# Altium PCB NODE.PcbDoc
Units mil, origin at the board's own origin, x right, y up, seen from the top; angles counter-clockwise.
Board outline 4255.03 x 3100.03 mil, 2 copper layers (Top Layer, Bottom Layer); 137 components, 72 nets, 385 pads, 0 vias.
Unrouted connection lines stored in the file: 278.
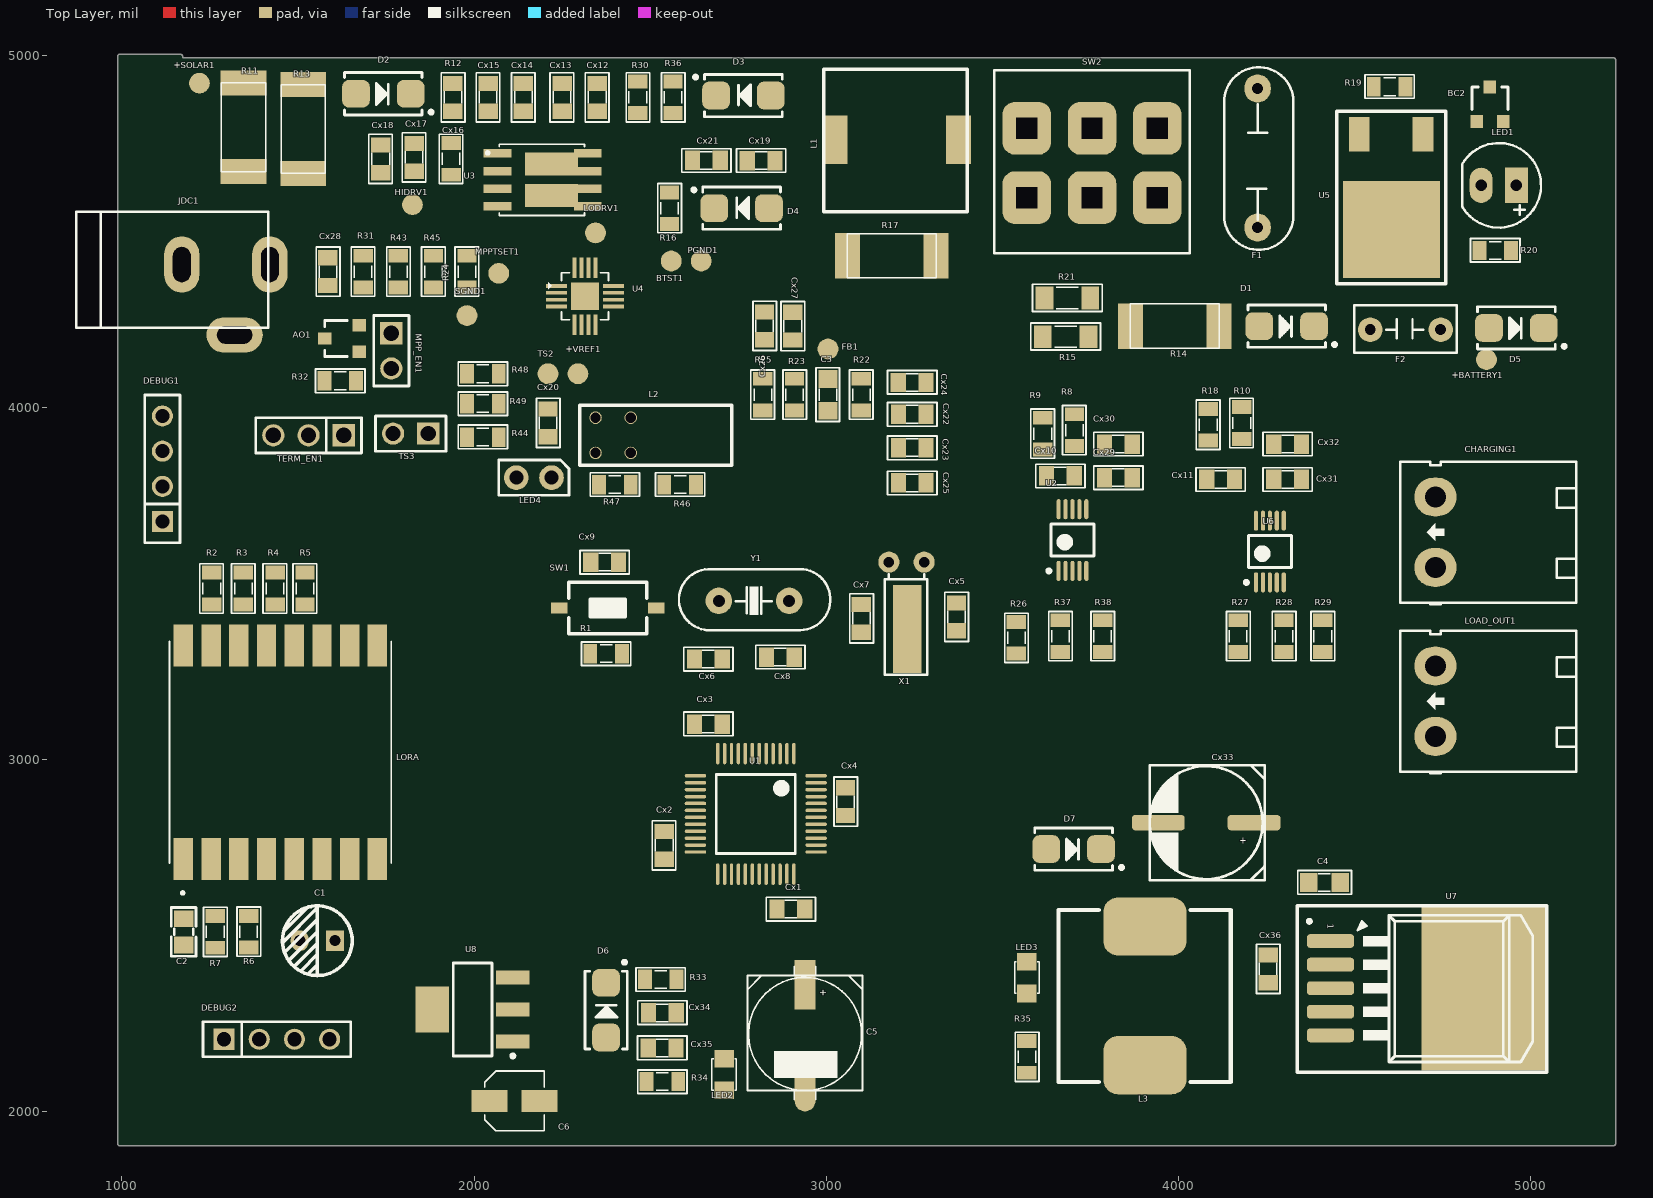
[diagram p0: Top Layer view]
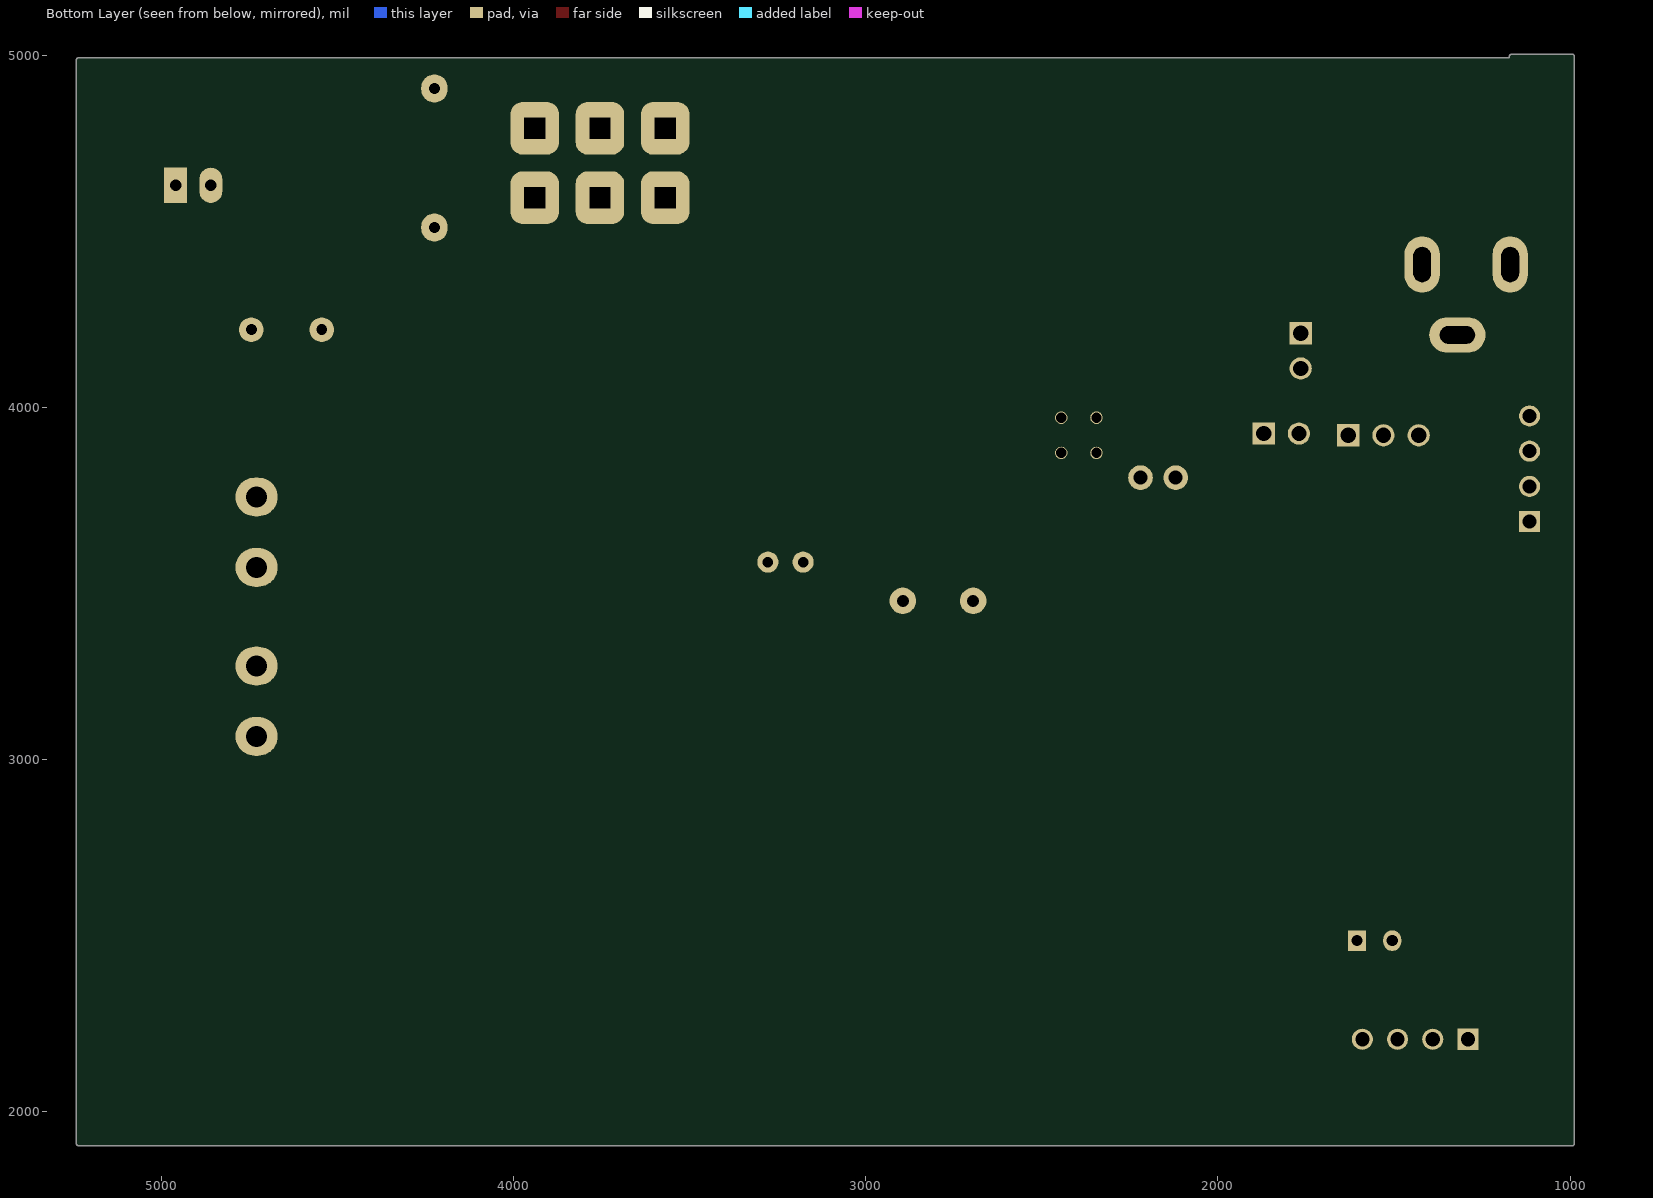
[diagram p1: Bottom Layer view, seen from below]

## Layer stack, top to bottom
Top Solder: solder mask 0.4, Solder Resist, Dk 3.5
Top Layer: signal copper 1.4
Dielectric 1: dielectric 12.6, FR-4, Dk 4.8
Bottom Layer: signal copper 1.4
Bottom Solder: solder mask 0.4, Solder Resist, Dk 3.5

## Board outline
995,1902.48 cw(c995,1910) 987.49,1910 987.49,4995 cw(c995,4995) 995,5002.52 1165.22,5002.52 cw(c1165.22,4995) 1172.73,4995 cw(c1165.22,4995) 1172.31,4992.52 5235,4992.52 cw(c5235,4985) 5242.52,4985 5242.52,1910 cw(c5235,1910) 5235,1902.48

## Design rules (kind name [scope] priority, off if disabled: settings)
Clearance [All] p1: gap=10 ignorepadtopadclearanceinfootprint=TRUE except(0: Arc-Hole Track-Hole SMDPad-Hole THPad-Hole Via-Hole Fill-Hole Poly-Hole Region-Hole Text-Hole)
PolygonConnect [All] p1: connectstyle=Relief reliefconductorwidth=10 reliefentries=4 polygonreliefangle="90 Angle" airgapwidth=10
RoutingVias [All] p1: holewidth=28 width=50 viastyle="Through Hole" minholewidth=28 minwidth=50 maxholewidth=28 maxwidth=50
SolderMaskExpansion [All] p1: expansion=4 istentingtop=FALSE
Width [All] p1: maxlimit=10 minlimit=10 preferedwidth=10
30 further rules are at their usual default settings.

## Classes and differential pairs
component class U_MCU: Cx1 Cx2 Cx3 Cx4 Cx5 Cx6 Cx7 Cx8 Cx9 DEBUG1 DEBUG2 R1 SW1 U1 X1 Y1
component class U_SOLAR_PO: +BATTERY1 +SOLAR1 +VBAT_LOAD1 +VREF1 AO1 BC1 BC2 BTST1 C3 C4 C5 C6 CHARGING1 Cx12 Cx13 Cx14 Cx15 Cx16 Cx17 Cx18 Cx19 Cx20 Cx21 Cx22 Cx23 Cx24 Cx25 Cx26 Cx27 Cx28 Cx33 Cx34 Cx35 Cx36 D1 D2 D3 D4 D5 D6 D7 F1 F2 FB1 HIDRV1 JDC1 L1 L2 L3 LED1 LED2 LED3 LED4 LOAD_OUT1 LODRV1 MPP_EN1 MPPTSET1 PGND1 R11 R12 R13 R14 R15 R16 R17 R19 R20 R21 R22 R23 R24 R25 R31 R32 R33 R34 R35 R36 R43 R44 R45 R46 R47 R48 R49 SGND1 SW2 TERM_EN1 TS2 TS3 tsrts1 U3 U4 U5 U7 U8
component class U_SENSOR_LDO: Cx10 Cx11 Cx29 Cx30 Cx31 Cx32 R8 R9 R10 R18 R26 R27 R28 R29 R30 R37 R38 U2 U6
component class U_LORA: C1 C2 LORA R2 R3 R4 R5 R6 R7

## Components (designator, comment, footprint, x,y, rotation, side; value= is the part's Value field where it differs from the comment)
+BATTERY1 "TP 2x2mm" "TP 2x2mm" 4875,4135 r0 top
+SOLAR1 "TP 2x2mm" "TP 2x2mm" 1220,4920 r90 top
+VREF1 "TP 2x2mm" "TP 2x2mm" 2295,4095 r90 top
AO1 "AO3400" SOT23-231 1625,4195 r90 top
BC2 "BC817" SOT23-132 4885,4860 r0 top
BTST1 "TP 2x2mm" "TP 2x2mm" 2560,4415 r90 top
C1 "22uF" "tu hoa 5mm" 1555,2485 r180 top
C2 "104" "tu 0805" 1175,2510 r90 top
C3 "22pF" SM-0805 3005,4035 r270 top value=103
C4 "0.1uF" SM-0805 4415,2650 r180 top value=103
C5 "220uF" CAP-ALU-SMD-F 2940,2220 r270 top
C6 "22uF/25V" CAP-ALU-SMD-4.5x5x1.4 2115,2030 r0 top
CHARGING1 "Header 2" HED2T 4730,3545 r90 top
Cx1 "0.1uF" CN-SMD-0805 2900,2575 r0 top value=33pF
Cx2 "0.1uF" CN-SMD-0805 2539.99,2755.64 r270 top value=33pF
Cx3 "0.1uF" CN-SMD-0805 2665.64,3100.01 r180 top value=33pF
Cx4 "0.1uF" CN-SMD-0805 3055,2880 r90 top value=33pF
Cx5 "10pF" CN-SMD-0805 3370.01,3404.36 r90 top value=33pF
Cx6 "22pF" CN-SMD-0805 2665.63,3284.99 r0 top value=33pF
Cx7 "10pF" CN-SMD-0805 3100,3400 r90 top value=33pF
Cx8 "22pF" CN-SMD-0805 2870,3290 r180 top value=33pF
Cx9 "0.1uF" CN-SMD-0805 2370.63,3559.99 r0 top value=33pF
Cx10 "0.1uF" CN-SMD-0805 3665,3805 r0 top value=33pF
Cx11 "0.1uF" CN-SMD-0805 4120,3795 r0 top value=33pF
Cx12 "10uF" CN-SMD-0805 2350,4880 r270 top value=33pF
Cx13 "10uF" CN-SMD-0805 2250,4880 r270 top value=33pF
Cx14 "10uF" CN-SMD-0805 2139.99,4880 r270 top value=33pF
Cx15 "10uF" CN-SMD-0805 2039.99,4880 r270 top value=33pF
Cx16 "1uF" CN-SMD-0805 1940.01,4880 r90 top value=33pF
Cx17 "1uF" CN-SMD-0805 1829.99,4709.37 r270 top value=33pF
Cx18 "2.2uF" CN-SMD-0805 1734.99,4705 r270 top value=33pF
Cx19 "1uF" CN-SMD-0805 2815,4700 r180 top value=33pF
Cx20 "1uF" CN-SMD-0805 2210.01,3955.63 r90 top value=33pF
Cx21 "0.1uF" CN-SMD-0805 2660,4701 r0 top value=33pF
Cx22 "1uF" CN-SMD-0805 3244.36,3979.99 r0 top value=33pF
Cx23 "10uF" CN-SMD-0805 3244.36,3884.99 r0 top value=33pF
Cx24 "10uF" CN-SMD-0805 3244.36,4070.01 r180 top value=33pF
Cx25 "0.1uF" CN-SMD-0805 3244.36,3784.99 r0 top value=33pF
Cx26 "0.1uF" CN-SMD-0805 2825.01,4230.63 r90 top value=33pF
Cx27 "0.1uF" CN-SMD-0805 2905,4230 r90 top value=33pF
Cx28 "22pF" CN-SMD-0805 1585.01,4385 r90 top value=33pF
Cx29 "0.1uF" CN-SMD-0805 3830,3800 r0 top value=33pF
Cx30 "1uF" CN-SMD-0805 3830,3895 r180 top value=33pF
Cx31 "0.1uF" CN-SMD-0805 4310.63,3795 r0 top value=33pF
Cx32 "1uF" CN-SMD-0805 4310.64,3895.01 r180 top value=33pF
Cx33 "330uF" "CAP SMD ALU SIZE F" 4079.17,2820 r180 top
Cx34 "0.1uF" CN-SMD-0805 2535,2280 r180 top value=33pF
Cx35 "0.1uF" CN-SMD-0805 2534.37,2180.01 r180 top value=33pF
Cx36 "0.1uF" CN-SMD-0805 4255,2405 r90 top value=33pF
D1 "SS54" "SMA (DO-214AC)" 4307.76,4230 r180 top
D2 "SS54" "SMA (DO-214AC)" 1742.24,4890 r180 top
D3 "SS54" "SMA (DO-214AC)" 2765,4885 r0 top
D4 "SS54" "SMA (DO-214AC)" 2760,4565 r0 top
D5 "SS54" "SMA (DO-214AC)" 4960,4225 r180 top
D6 "SS54" "SMA (DO-214AC)" 2375,2287.76 r270 top
D7 "SS54" "SMA (DO-214AC)" 3702.76,2745 r180 top
DEBUG1 "" JP4-C1T 1115,3675 r90 top
DEBUG2 "JP4" JP4-C1T 1290,2205 r0 top
F1 "5A 30V" CN4 4225,4700 r90 top
F2 "3A 30V" CN2-G 4645,4225 r0 top
FB1 "TP 2x2mm" "TP 2x2mm" 3005,4165 r0 top
HIDRV1 "TP 2x2mm" "TP 2x2mm" 1825,4575 r90 top
JDC1 "SOLAR" DC0 1295,4305 r0 top value="Jac DC"
L1 "10uH" CDRH104R 3025,4760 r90 top
L2 "LED_Digital" LedDigital 2445,3970 r270 top
L3 "68uH" "INDUCTOR SMD 12x12X8.5mm" 3905,2328.15 r270 top
LED1 "LED" "LED-5 GRe" 4960,4630 r180 top value="LED 3 ly Single Colour"
LED2 "LED" LED-0805-Blue 2710,2060 r90 top value="LED 3 - 5 ly 2 Colour"
LED3 "LED" LED-0805-Red 3570,2335 r90 top value="LED 3 - 5 ly 2 Colour"
LED4 "JP2" JP2-CLOSED 2220,3800 r270 top
LOAD_OUT1 "Header 2" HED2T 4730,3065 r90 top
LODRV1 "TP 2x2mm" "TP 2x2mm" 2345,4495 r90 top
LORA "Lora SX1278" *XCVR_RFM69HW-868S2 1450,3020 r90 top (schematic designator ts1)
MPP_EN1 "Header2" JP2-D1T 1765,4210 r270 top
MPPTSET1 "TP 2x2mm" "TP 2x2mm" 2070,4380 r180 top
PGND1 "TP 2x2mm" "TP 2x2mm" 2645,4415 r90 top
R1 "10k" RES-SMD-0805 2375,3300 r0 top
R2 "10k" RES-SMD-0805 1255,3485 r270 top
R3 "10k" RES-SMD-0805 1345,3485 r270 top
R4 "10k" RES-SMD-0805 1435,3485 r270 top
R5 "10k" RES-SMD-0805 1520,3485 r270 top
R6 "10k" RES-SMD-0805 1360,2510.44 r90 top
R7 "10k" RES-SMD-0805 1265,2510 r90 top
R8 "10R" RES-SMD-0805 3705,3935 r270 top
R9 "10R" RES-SMD-0805 3615,3925 r270 top
R10 "10R" RES-SMD-0805 4180,3955 r270 top
R11 "0.015R 1W" RES-SMD-2512 1350,4795 r90 top
R12 "10R" RES-SMD-0805 1935,4705 r270 top
R13 "2.2R" RES-SMD-2512 1510,4790 r270 top
R14 "0.015R 1W" RES-SMD-2512 3990,4225 r0 top
R15 "0R" RES-SMD-1206 3680,4200 r0 top
R16 "2.2R" RES-SMD-0805 2555,4565 r90 top
R17 "40mR" RES-SMD-2512 3185.98,4425 r0 top
R18 "10R" RES-SMD-0805 4085,3950 r270 top
R19 "10K" RES-SMD-0805 4600,4910 r180 top
R20 "10K" RES-SMD-0805 4900,4445 r180 top
R21 "0R" RES-SMD-1206 3685,4310 r0 top
R22 "0R" RES-SMD-0805 3100,4035.64 r270 top
R23 "75K" RES-SMD-0805 2910,4035.64 r90 top
R24 "0R" RES-SMD-0805 1980,4385 r270 top
R25 "15K" RES-SMD-0805 2820,4035.64 r270 top
R26 "4.7K" RES-SMD-0805 3540,3345 r90 top
R27 "4.7K" RES-SMD-0805 4170,3350 r90 top
R28 "4.7K" RES-SMD-0805 4300,3350 r90 top
R29 "4.7K" RES-SMD-0805 4410,3350 r90 top
R30 "0R" RES-SMD-0805 2465,4880 r90 top
R31 "0R" RES-SMD-0805 1685,4385 r270 top
R32 "100K" RES-SMD-0805 1620,4075 r0 top
R33 "0R" RES-SMD-0805 2530,2375 r0 top
R34 "1k" RES-SMD-0805 2535,2085 r0 top
R35 "1K" RES-SMD-0805 3570,2155 r90 top
R36 "0R" RES-SMD-0805 2565,4880 r90 top
R37 "4.7K" RES-SMD-0805 3665,3350 r90 top
R38 "4.7K" RES-SMD-0805 3785,3350 r90 top
R43 "24.9K" RES-SMD-0805 1785,4385 r90 top
R44 "10K" RES-SMD-0805 2025,3915 r180 top
R45 "1.8K" RES-SMD-0805 1885,4385 r270 top
R46 "10K" RES-SMD-0805 2585,3780 r180 top
R47 "10K" RES-SMD-0805 2400,3780 r180 top
R48 "100R" RES-SMD-0805 2025,4095 r0 top
R49 "10K" RES-SMD-0805 2025,4010 r0 top
SGND1 "TP 2x2mm" "TP 2x2mm" 1980,4260 r90 top
SW1 "SW" SW1-SMD 2380,3430 r180 top value="SW chip 2 pin"
SW2 "MTS202" MTS-20X 3940.04,4791.85 r270 top
TERM_EN1 "JP3" JP3-D1T 1630,3920 r180 top
TS2 "TP 2x2mm" "TP 2x2mm" 2210,4095 r90 top
TS3 "Header2" JP2-D1T 1870,3925 r180 top
U1 "STM32" LQFP48_L 2800,2845 r270 top
U2 "INA226" INA226 3699.37,3622.6 r90 top
U3 "SI7288DP" "SO-8 PowerPAK" 2192.83,4645.51 r0 top
U4 "BQ24650RVAT" VFQFN-16-EP 2315,4315 r0 top
U5 "AOD403" "TO-252 DPAK" 4695,4775 r180 top
U6 "INA226" INA226 4260,3590 r90 top
U7 "LM2596-5V" TO263 4650,2350 r270 top
U8 "LM1117-3.3V" SOT223 1995.83,2289.45 r90 top
X1 "32,768 Khz" XT32kn 3178,3560 r270 top value=32,768khz
Y1 "8Mhz" XT2 2795,3450 r0 top

## Footprints (in the part's own frame and the unit in brackets; to place one, negate y for a bottom-side part, rotate by r counter-clockwise, add the part's x,y. Pads: shape width x height; smd on the part's side, far side on the other; paste and mask are expansions set on the pad)
*XCVR_RFM69HW-868S2 [mm]
  rect 3x1.4 smd: 1(-7.7,7) 2(-7.7,5) 3(-7.7,3) 4(-7.7,1) 5(-7.7,-1) 6(-7.7,-3) 7(-7.7,-5) 8(-7.7,-7) 9(7.7,-7) 10(7.7,-5) 11(7.7,-3) 12(7.7,-1) 13(7.7,1) 14(7.7,3) 15(7.7,5) 16(7.7,7)
  silkscreen extent -10.25,-8 8,8, body extent -8,-8.5 8,8.5, height 3.2
"CAP SMD ALU SIZE F" [mm]
  rrect40% 3.8x1.1 smd: 1(-3.45,0) 2(3.45,0)
  silkscreen extent -4.22,-4.15 4.08,4.15, body extent -4.95,-4.15 4.95,4.15, height 10.2
CAP-ALU-SMD-4.5x5x1.4 [mm]
  rect 2.6x1.6 smd: 1(-1.8,0) 2(1.8,0)
  silkscreen extent -2.15,-2.15 2.15,2.15, body extent -2.5,-2.15 2.5,2.15, height 5.45
CAP-ALU-SMD-F [mil]
  rect 140x59.06 smd: 1(-140,0)
  oval 140x59.06 smd: 2(150,0)
  silkscreen extent -192,-163 187,163, body extent -195,-163 195,163, height 402
CDRH104R [mm]
  rect 3.5x1.8 smd: 1(0,0) 2(0,-8.9)
  silkscreen extent -5.21,-9.53 5.08,0.8, body extent -5.22,-9.69 5.08,0.8, height 4
CN2-G [mil]
  round 70 hole 31: 1(-100,-5) 2(100,-5)
  silkscreen extent -145,-70 145,65, body extent -105,-65 115,60, height 300
CN4 [mil]
  oval 80x75 hole 31: 1(-190,0) 2(205,0)
  silkscreen extent -253,-102 265,95, body extent -251,-100 261,97, height 571
CN-SMD-0805 [mil]
  rect 43.31x55 smd: 1(-39.36,0.01) 2(39.37,0.01)
  silkscreen extent -70,-34 70,33, body extent -39,-25 39,25, height 31
DC0 [mil]
  oval 100x160 hole 50 slot 100 at 90 deg: 1(125,100) 2(-125,100)
  oval 160x100 hole 50 slot 100 at 0 deg: 3(25,-100)
  silkscreen extent -425,-80 120,250, body extent -410,-105 134,269, height 434
HED2T [mil]
  oval 110x120 hole 60: 1(0,0) 2(200,0)
  silkscreen extent -105,-400 300,100, body extent -97,-399 297,73, height 334
INA226 [mm]
  oval 1.45x0.3 smd: 1(-2.225,1) 2(-2.225,0.5) 3(-2.225,0) 4(-2.225,-0.5) 5(-2.225,-1) 6(2.225,-1) 7(2.225,-0.5) 8(2.225,0) 9(2.225,0.5) 10(2.225,1)
  silkscreen extent -2.35,-1.55 1.15,1.82, body extent -2.45,-1.55 2.45,1.55, height 1.1
"INDUCTOR SMD 12x12X8.5mm" [mm]
  rrect50% 4.2x6 smd: 1(-5,0) 2(5,0)
  silkscreen extent -6.2,-6.22 6.2,6.2, body extent -6.1,-6.1 6.1,6.1, height 5.1
JP2-CLOSED [mil]
  round 70 hole 40: 1(0,0) 2(0,-100)
  silkscreen extent -50,-150 50,50, body extent -50,-152 50,50, height 300
JP2-D1T [mm]
  rect 1.6x1.6 hole 1.1: 1(0,0)
  round 1.6 hole 1.1: 2(2.54,0)
  silkscreen extent -1.27,-1.27 3.81,1.27, body extent -1.27,-1.27 3.81,1.27, height 8.54
JP3-D1T [mm]
  rect 1.6x1.6 hole 1.1: 1(0,0)
  round 1.6 hole 1.1: 2(2.54,0) 3(5.08,0)
  silkscreen extent -1.27,-1.27 6.35,1.27, body extent -1.27,-1.27 6.35,1.27, height 8.54
JP4-C1T [mm]
  rect 1.52x1.52 hole 1.02: 1(0,0)
  round 1.52 hole 1.02: 2(2.54,0) 3(5.08,0) 4(7.62,0)
  silkscreen extent -1.52,-1.27 9.14,1.27, body extent -1.52,-1.25 9.14,1.25, height 8.51
"LED-5 GRe" [mil]
  rect 65x100 hole 32: 1(0,0)
  oval 65x100 hole 32: 2(100,0)
  silkscreen extent -70,-120 154,120, body extent -54,-104 154,105, height 337
LED-0805-Blue [mil]
  rect 50x55 smd: 1(0,0) 2(90,0)
  silkscreen extent 0,-35 90,35, body extent 5,-25 85,25, height 43
LED-0805-Red [mil]
  rect 50x55 smd: 1(0,0) 2(90,0)
  silkscreen extent 0,-35 90,35, body extent 5,-25 85,25, height 43
LedDigital [mm]
  round 0.9 hole 0.75: 1(2.54,0) 2(0,0) 3(2.54,-2.54) 4(0,-2.54)
  silkscreen extent -0.89,-3.68 3.43,7.28, body extent -0.89,-3.72 3.43,7.28, height 9.65
LQFP48_L [mm]
  round 0.8 on Top Overlay: 0(-4.5,4.5)
  oval 1.55x0.25 smd: 1(-4.35,2.75) 2(-4.35,2.25) 3(-4.35,1.75) 4(-4.35,1.25) 5(-4.35,0.75) 6(-4.35,0.25) 7(-4.35,-0.25) 8(-4.35,-0.75) 9(-4.35,-1.25) 10(-4.35,-1.75) 11(-4.35,-2.25) 12(-4.35,-2.75) 25(4.35,-2.75) 26(4.35,-2.25) 27(4.35,-1.75) 28(4.35,-1.25) 29(4.35,-0.75) 30(4.35,-0.25) 31(4.35,0.25) 32(4.35,0.75) 33(4.35,1.25) 34(4.35,1.75) 35(4.35,2.25) 36(4.35,2.75)
  oval 0.25x1.55 smd: 13(-2.75,-4.35) 14(-2.25,-4.35) 15(-1.75,-4.35) 16(-1.25,-4.35) 17(-0.75,-4.35) 18(-0.25,-4.35) 19(0.25,-4.35) 20(0.75,-4.35) 21(1.25,-4.35) 22(1.75,-4.35) 23(2.25,-4.35) 24(2.75,-4.35) 37(2.75,4.35) 38(2.25,4.35) 39(1.75,4.35) 40(1.25,4.35) 41(0.75,4.35) 42(0.25,4.35) 43(-0.25,4.35) 44(-0.75,4.35) 45(-1.25,4.35) 46(-1.75,4.35) 47(-2.25,4.35) 48(-2.75,4.35)
  silkscreen extent -2.85,-2.85 2.85,2.85, body extent -4.5,-4.5 4.5,4.5, height 1.6
MTS-20X [mm]
  rrect50% 3.8x3.5 hole 1.5 square: 1(0,0) 2(0,-4.7) 3(0,-9.4) 4(5,0) 5(5,-4.7) 6(5,-9.4)
  silkscreen extent -4.19,-11.75 9.02,2.35, body extent -3.94,-11.3 8.76,1.9, height 30.34
RES-SMD-0805 [mil]
  rect 39.37x55 smd: 1(-45,0) 2(45,0)
  silkscreen extent -70,-34 70,33, body extent -39,-25 39,25, height 31
RES-SMD-1206 [mil]
  rect 50x65 smd: 1(-65,0) 2(65,0)
  silkscreen extent -99,-38 99,39, body extent -63,-31 63,32, height 40
RES-SMD-2512 [mm]
  rect 1.8x3.3 smd: 1(-3.2,0.127) 2(3.2,0.127)
  silkscreen extent -3.2,-1.47 3.2,1.73, body extent -3.2,-1.47 3.2,1.73, height 0.6
SM-0805 [mil]
  rect 50x55 smd: 1(-45,0) 2(45,0)
  silkscreen extent -77,-34 76,33, body extent -40,-27 40,23, height 24
"SMA (DO-214AC)" [mm]
  rrect50% 2x2 smd: 1(1.975,0) 2(-1.975,0)
  silkscreen extent -3.57,-1.52 2.8,1.52, body extent -2.75,-1.4 2.75,1.4, height 2.6
"SO-8 PowerPAK" [mm]
  rect 2x0.61 smd: 1(-3.2,1.905) 2(-3.2,0.635) 3(-3.2,-0.635) 4(-3.2,-1.905) 5(3.3,-1.905) 6(3.3,-0.635) 7(3.3,0.635) 8(3.3,1.905)
  rect 3.81x1.65 smd: 9(0.69,1.13) 10(0.69,-1.13)
  silkscreen extent -4.01,-2.58 3.08,2.58, body extent -3.08,-2.57 3.07,2.58, height 1.1
SOT23-132 [mm]
  rect 0.9x0.95 smd: 1(-0.95,-1.25) 3(0,1.25)
  rect 0.9x0.95 smd mask+0: 2(0.95,-1.25)
  silkscreen extent -1.3,-0.38 1.3,1.25, body extent -1.52,-1.23 1.48,1.27, height 1.06
SOT23-231 [mm]
  rect 0.9x0.95 smd mask+0: 1(0.95,-1.25)
  rect 0.9x0.95 smd: 2(-0.95,-1.25) 3(0,1.25)
  silkscreen extent -1.3,-0.38 1.3,1.25, body extent -1.52,-1.23 1.48,1.27, height 1.06
SOT223 [mm]
  rect 1x2.4 smd: 1(-2.3,-2.9) 2(0,-2.9) 3(2.3,-2.9)
  rect 3.3x2.4 smd: 4(0,2.9)
  silkscreen extent -3.47,-3.03 3.35,1.4, body extent -3.25,-3.56 3.25,3.4, height 1.68
SW1-SMD [mm]
  rect 1.2x0.8 smd: 1(-3.5,0) 2(3.5,0)
  silkscreen extent -2.82,-1.85 2.82,1.85, body extent -3.05,-1.85 3.05,1.85, height 2.5
TO263 [mm]
  rrect50% 1x3.4 smd: 1(-3.4,-5.537) 2(-1.7,-5.537) 4(1.7,-5.537) 5(3.4,-5.537)
  rrect50% 1x3.4 smd mask+0: 3(0,-5.537)
  rect 12x9 smd: 6(-0.076,5.537)
  silkscreen extent -5.95,-7.92 6.05,10.08, body extent -5.11,-6.41 5.05,8.23, height 4.57
"TO-252 DPAK" [mm]
  rect 1.5x2.5 smd: 1(0,0) 3(4.6,0)
  rect 7x7 smd: 2(2.286,6.858)
  silkscreen extent -1.65,-1.65 6.22,10.8, body extent -0.95,-0.91 5.59,9.03, height 2.44
"TP 2x2mm" [mm]
  round 1.5 smd: 3(0,0)
"tu 0805" [mm] "Compoment SMD 80x50mil"
  rect 1.2x1.4 smd: 1(-0.946,-0.003) 2(0.954,-0.003)
  silkscreen extent -1.75,-0.89 1.75,0.89, body extent -1.01,-0.64 1.01,0.63, height 0.61
"tu hoa 5mm" [mm]
  rect 1.3x1.5 hole 0.8: 1(-1.27,0)
  oval 1.3x1.5 hole 0.8: 2(1.27,0)
  silkscreen extent -2.51,-2.51 2.51,2.51, body extent -3.12,-3.18 3.23,3.18, height 14.55
VFQFN-16-EP [mm]
  rect 1.5x0.28 smd: 1(-2.05,0.75) 2(-2.05,0.25) 3(-2.05,-0.25) 4(-2.05,-0.75) 9(2.05,-0.75) 10(2.05,-0.25) 11(2.05,0.25) 12(2.05,0.75)
  rect 0.28x1.5 smd: 5(-0.75,-2.05) 6(-0.25,-2.05) 7(0.25,-2.05) 8(0.75,-2.05) 13(0.75,2.05) 14(0.25,2.05) 15(-0.25,2.05) 16(-0.75,2.05)
  rect 2x2 smd: 17(0,0)
  silkscreen extent -2.64,-1.7 1.7,1.7, body extent -1.73,-1.73 1.73,1.73, height 1.01
XT2 [mil]
  round 75 hole 34: 1(-100,0) 2(100,0)
  silkscreen extent -213,-83 217,90, body extent -216,-87 216,90, height 144
XT32kn [mil]
  round 60 hole 30: 1(0,0) 2(0,100)
  rect 250x80 smd: 3(190,52)
  silkscreen extent 34,-12 320,109, body extent -10,5 319,95, height 77

## Part data
AO1: library part "FET N-CH 4A 30V AO3400A", "MOSFET N-CH 30V 5.7A SOT23", Continuous Drain Current=5.7A, Drain-Source On-Volt=30V, Gate-Source Voltage (Max)=±12V, Manufacturer="Alpha & Omega Semiconductor", Manufacturer Part Number=AO3400A, Operating Temp Range="-55C to 150C", Operating Temperature Classification=Military, Package Type=SOT-23, Power Dissipation=1.4W, Supplier Part Number 1=C20917, Channel Mode=Enhancement, ComponentLink1Description=http://aosmd.com/res/packaging_information/SOT-23-3L.pdf?src-supplier=Digi-Key, ComponentLink1URL=http://aosmd.com/res/packaging_information/SOT-23-3L.pdf?src-supplier=Digi-Key, ComponentLink2Description=https://www.verical.com/server-webapp/html/getDatasheet?partID=64438&src-supplier=Verical, ComponentLink2URL=https://www.verical.com/server-webapp/html/getDatasheet?partID=64438&src-supplier=Verical, Drain-Source On-Res=0.0265Ohm, Mounting="Surface Mount", Number of  Elements=1, Pin Count=3, Polarity=N, Pricing 1="5=0.1102, 50=0.0812, 150=0.0759, 500=0.0706, 2500=0.0682, 5000=0.0671, 5=0.0989, 50=0.0729, 150=0.0681, 500=0.0633, 2500=0.0612, 5000=0.0602, 5=0.5285, 50=0.3893, 150=0.3638, 500=0.3384, 2500=0.3271, 5000=0.3215, 5=0.5065, 50=0.3731, 150=0.3487, 500=0.3244, 2500=0.3135, 5000=0.3081, 5=0.0678, 50=0.05, 150=0.0467, 500=0.0434, 2500=0.042, 5000=0.0413, 5=0.0593, 50=0.0437, 150=0.0408, 500=0.038, 2500=0.0367, 5000=0.0361, 5=0.5868, 50=0.4323, 150=0.404, 500=0.3758, 2500=0.3632, 5000=0.357, 5=8.1047, 50=5.9701, 150=5.5801, 500=5.19, 2500=5.0167, 5000=4.93, 5=0.3132, 50=0.2307, 150=0.2156, 500=0.2005, 2500=0.1938, 5000=0.1905, 5=4.8106, 50=3.5436, 150=3.3121, 500=3.0806, 2500=2.9777, 5000=2.9262, 5=0.7344, 50=0.541, 150=0.5056, 500=0.4703, 2500=0.4546, 5000=0.4467, 5=0.1024, 50=0.0754, 150=0.0705, 500=0.0656, 2500=0.0634, 5000=0.0623, 5=0.0748, 50=0.0551, 150=0.0515, 500=0.0479, 2500=0.0463, 5000=0.0455 (AUD)", Stock 1=497680, Supplier 1=LCSC, Type="Power MOSFET"
BC2: library part "TRAN 0.5A 45V BC817-25,215 SOT23 VN", "BC817 Series 45 V 500 mA SMT NPN General Purpose Transistor - SOT-23 VN", Current=0.5A, Manufacturer=Nexperia, Manufacturer Part Number=BC817-25,215, Voltage=45V, ComponentLink1Description=http://www.farnell.com/datasheets/699988.pdf?src-supplier=Farnell, ComponentLink1URL=http://www.farnell.com/datasheets/699988.pdf?src-supplier=Farnell, ComponentLink2Description=http://www.farnell.com/datasheets/699988.pdf?src-supplier=Newark, ComponentLink2URL=http://www.farnell.com/datasheets/699988.pdf?src-supplier=Newark, ComponentLink3Description=https://www.mouser.com/ds/2/302/BC817_BC817W_BC337-188983.pdf?src-supplier=Mouser, ComponentLink3URL=https://www.mouser.com/ds/2/302/BC817_BC817W_BC337-188983.pdf?src-supplier=Mouser, ComponentLink4Description=https://assets.nexperia.com/documents/data-sheet/BC817_SER.pdf?src-supplier=Digi-Key, ComponentLink4URL=https://assets.nexperia.com/documents/data-sheet/BC817_SER.pdf?src-supplier=Digi-Key, Pricing 1="1=0.03, 25=0.03, 100=0.03, 500=0.03, 1000=0.03 (USD)", Stock 1=5904000, Supplier 1="Rochester Electronics", Supplier Part Number 1=BC817-25,215
C1: library part "Tu Hoa 22uF 35V 5x11", "Cắm", Chung_Loai=Cắm, Don_Vi=Con, Ma_Hang=MH001350, So_Chan=2, Ten_Linh_Kien="Tụ Hóa 22uF 35V 5x11MM"
C2: library part "Tu 0805 104 50V 10%", "Dán", Chung_Loai=Dán, Don_Vi=Con, Ma_Hang=MH004551, So_Chan=2, Ten_Linh_Kien="Tụ 0805 104-100nF 10% 50V"
C3: library part CM, "Cap Ceramic 22pF 50V C0G 10% Pad SMD 0805 125°C T/R"
C4: library part CM, "Cap SMD"
C5 C6 Cx33: library part CN-ALU-SMD, "Polarized Capacitor (Axial)", LatestRevisionDate=17-Jul-2002, LatestRevisionNote="Re-released for DXP Platform.", PackageReference=POLAR0.8, Published=8-Jun-2000, Publisher="Altium Limited"
CHARGING1 LOAD_OUT1: library part Hed2, "Header 2 (Green)"
Cx1 Cx2 Cx3 Cx4 Cx9 Cx10 Cx11 Cx12 Cx13 Cx14 Cx15 Cx16 Cx17 Cx18 Cx19 Cx20 Cx21 Cx22 Cx23 Cx24 Cx25 Cx26 Cx27 Cx28 Cx29 Cx30 Cx31 Cx32 Cx34 Cx35 Cx36: library part CN
Cx5 Cx7: library part CN_2, "recommended 12.5pF"
Cx6 Cx8: library part CN_5
D1 D2 D3 D4 D5 D6 D7: library part "DIODE 5A 40V SS54  Schottky Diode VN", "SS54 SMA/DO-124AC 5A 40V Schottky Barrier (1N5824) VN", Current=5A, Package=SMA-DO214
DEBUG1: library part JP4, "WR-PHD 2.54 mm Angled Socket Header", Manufacturer="W¨¹rth Elektronik eiSos GmbH", partNo=613004143121, ComponentLink1 Description=Manufacturer, ComponentLink1URL=http://www.we-online.com, ComponentLink2 Description=Datasheet, ComponentLink2URL=http://katalog.we-online.de/em/datasheet/6130xx143121.pdf, Created by="Karrer Zheng", Created Date="29 March 2013", NoPins=04
DEBUG2: "WR-PHD 2.54 mm Angled Socket Header", Manufacturer="W¨¹rth Elektronik eiSos GmbH", partNo=613004143121, ComponentLink1 Description=Manufacturer, ComponentLink1URL=http://www.we-online.com, ComponentLink2 Description=Datasheet, ComponentLink2URL=http://katalog.we-online.de/em/datasheet/6130xx143121.pdf, Created by="Karrer Zheng", Created Date="29 March 2013", NoPins=04
F1: library part "FUSR 4A 30V DIP"
F2: library part "FUSE 4A 30V DIP"
JDC1: library part DCIN, "Jac DC input"
L1: library part inductor, "CDRH104,104R"
L2: "DBL2"
L3: library part "IND 33UH 3A CDRH127NP-330MC", "FIXED IND 33UH 3A 64.8 MOHM SMD", Current - Saturation=-, Current Rating=3A, DC Resistance (DCR)="64.8 mOhm Max", Frequency - Test=1kHz, Inductance=33µH, Manufacturer=Sumida, Manufacturer Part Number=CDRH127NP-330MC, Operating Temperature="-40°C ~ 100°C", Package / Case=Nonstandard, Standard Package=1, Supplier Part Number 1=851-CDRH127NP-330MC, Tolerance=±20%, Catalog Drawings="CDRH127 Series Front CDRH127 Series Side CDRH127 Series Bottom", Category="Inductors, Coils, Chokes", ComponentLink1Description=http://www.sumida.com/products/pdf/CDRH127.pdf?src-supplier=Avnet, ComponentLink1URL=http://www.sumida.com/products/pdf/CDRH127.pdf?src-supplier=Avnet, ComponentLink2Description=https://www.verical.com/server-webapp/html/getDatasheet?partID=353985&src-supplier=Verical, ComponentLink2URL=https://www.verical.com/server-webapp/html/getDatasheet?partID=353985&src-supplier=Verical, ComponentLink3Description=http://components.arrow.com/part/dataview/51004637S8883439N4456?src-supplier=Arrow, ComponentLink3URL=http://components.arrow.com/part/dataview/51004637S8883439N4456?src-supplier=Arrow, ComponentLink4Description=http://products.sumida.com/products/pdf/CDRH127.pdf?src-supplier=Digi-Key, ComponentLink4URL=http://products.sumida.com/products/pdf/CDRH127.pdf?src-supplier=Digi-Key, ComponentLink5Description=http://www.sumida.com/products/pdf/CDRH127,127LD.pdf?src-supplier=Future+Electronics, ComponentLink5URL=http://www.sumida.com/products/pdf/CDRH127,127LD.pdf?src-supplier=Future+Electronics, ComponentLink6Description=http://www.sumida.com/products/pdf/CDRH127.pdf?src-supplier=Mouser, ComponentLink6URL=http://www.sumida.com/products/pdf/CDRH127.pdf?src-supplier=Mouser, Family="Fixed Inductors", Frequency - Self Resonant=-, Height - Seated (Max)="0.315\" (8.00mm)", Material - Core=-, Mounting Type="Surface Mount", Online Catalog="CDRH Series", Other Names=308-1467-1, Packaging="Cut Tape (CT)", Pricing 1="1=2.03, 10=1.53, 50=1.53, 100=1.4, 500=0.918, 1000=0.837, 2500=0.81, 5000=0.783, 10000=0.756, 25000=0.718 (USD)", Product Training Modules="Power Inductor Basics", Q @ Freq=-, Ratings=-, Series=CDRH127, Shielding=Shielded, Size / Dimension="0.472\" L x 0.472\" W (12.00mm x 12.00mm)", Stock 1=1471, Supplier 1=Mouser, Type=-
LED1: "LED Single colour Green and Red"
LED2 LED3: library part "LED SMD"
LED4: "WR-PHD 2.54 mm Angled Socket Header", Manufacturer="W¨¹rth Elektronik eiSos GmbH", partNo=613002143121, ComponentLink1 Description=Manufacturer, ComponentLink1URL=http://www.we-online.com, ComponentLink2 Description=Datasheet, ComponentLink2URL=http://katalog.we-online.de/em/datasheet/6130xx143121.pdf, Created by="Karrer Zheng", Created Date="29 March 2013", NoPins=02
MPP_EN1 TS3: "Header IDC, 2 x 1 Pin Vertical 2.54mm Pitch (Non-Boxed, Male)", Manufacturer="W¨¹rth Elektronik eiSos GmbH", partNo=613002143121, ComponentLink1 Description=Manufacturer, ComponentLink1URL=http://www.we-online.com, ComponentLink2 Description=Datasheet, ComponentLink2URL=http://katalog.we-online.de/em/datasheet/6130xx143121.pdf, Created by="Karrer Zheng", Created Date="29 March 2013", NoPins=02
R1 R2 R3 R4 R5 R6 R7 R8 R9 R10 R13 R15 R17 R18 R19 R20 R21 R22 R23 R24 R25 R26 R27 R28 R29 R30 R31 R32 R33 R34 R35 R36 R37 R38 R43 R44 R45 R46 R47 R48 R49: library part Res-SMD, "Resistor", Manufacturer="Generic Components", Class=Passive, Published=08/06/2000, Publisher="Altium Hobart Technology Centre"
R11 R14: library part "RES 0.015R 2512 1W 1%", "RES SMD 15 MOHM 1% 1W 2512", Manufacturer="Vishay Dale", Manufacturer Part Number=WSL2512R0150FEA, Power Rating=1W, Resistance=0.015ohm, Resistance Tolerance="± 1%", Resistor Case Style="2512 [6432 Metric]", Resistor Element Type="Metal Strip", Supplier Part Number 1=71-WSL2512R0150FEA, Temperature Coefficient="± 75ppm/°C", Automotive Qualification Standard=AEC-Q200, ComponentLink1Description=http://www.vishay.com/docs/30100/wsl.pdf?src-supplier=Digi-Key, ComponentLink1URL=http://www.vishay.com/docs/30100/wsl.pdf?src-supplier=Digi-Key, ComponentLink2Description=http://www.vishay.com/docs/30100/wsl.pdf?src-supplier=Future+Electronics, ComponentLink2URL=http://www.vishay.com/docs/30100/wsl.pdf?src-supplier=Future+Electronics, ComponentLink3Description=https://www.alliedelec.com/m/d/b482c23d27c9fba0eb82e9503f73d2f9.pdf?src-supplier=Allied+Electronics, ComponentLink3URL=https://www.alliedelec.com/m/d/b482c23d27c9fba0eb82e9503f73d2f9.pdf?src-supplier=Allied+Electronics, ComponentLink4Description=http://www.mouser.com/ds/2/427/wsl-101914.pdf?src-supplier=Mouser, ComponentLink4URL=http://www.mouser.com/ds/2/427/wsl-101914.pdf?src-supplier=Mouser, ComponentLink5Description=http://www.vishay.com/docs/30100/wsl.pdf?src-supplier=Farnell, ComponentLink5URL=http://www.vishay.com/docs/30100/wsl.pdf?src-supplier=Farnell, ComponentLink6Description=http://www.farnell.com/datasheets/2049120.pdf?src-supplier=Element14, ComponentLink6URL=http://www.farnell.com/datasheets/2049120.pdf?src-supplier=Element14, ComponentLink7Description=http://www.vishay.com/docs/30100/wsl.pdf?src-supplier=Avnet, ComponentLink7URL=http://www.vishay.com/docs/30100/wsl.pdf?src-supplier=Avnet, ComponentLink8Description=https://www.verical.com/server-webapp/html/getDatasheet?partID=117037&src-supplier=Verical, ComponentLink8URL=https://www.verical.com/server-webapp/html/getDatasheet?partID=117037&src-supplier=Verical, ComponentLink9Description=http://www.vishay.com/docs/30100/wsl.pdf?src-supplier=Avnet+Europe, ComponentLink9URL=http://www.vishay.com/docs/30100/wsl.pdf?src-supplier=Avnet+Europe, ComponentLink10Description=http://www.vishay.com/docs/30100/wsl.pdf?src-supplier=Element14, ComponentLink10URL=http://www.vishay.com/docs/30100/wsl.pdf?src-supplier=Element14, ComponentLink11Description=http://uk.rs-online.com/webdocs/0d81/0900766b80d81e3e.pdf?src-supplier=RSComponents, ComponentLink11URL=http://uk.rs-online.com/webdocs/0d81/0900766b80d81e3e.pdf?src-supplier=RSComponents, MSL="MSL 1 - Unlimited", Packaging="Cut Tape", Pricing 1="1=1.16, 10=1.16, 25=0.973, 50=0.973, 100=0.842, 250=0.711, 500=0.599, 1000=0.5, 10000=0.5 (USD)", Product Range="WSL Series", Stock 1=10348, Supplier 1=Mouser, SVHC="No SVHC (15-Jun-2015)"
R12: library part Res-SMD, "0805", Manufacturer="Generic Components", Class=Passive, Published=08/06/2000, Publisher="Altium Hobart Technology Centre"
R16: library part "RES 2.2R 1% 0805 RL1220S-2R2-F VN", "RES SMD 2.2 OHM 1% 1/3W 0805 VN", Manufacturer=Susumu, Manufacturer Part Number=RL1220S-2R2-F, Operating Temperature="-55°C ~ 125°C", Package / Case="0805 (2012 Metric)", Power (Watts)=1/3W, Resistance (Ohms)=2.2, Standard Package=1, Supplier Device Package=0805, Supplier Part Number 1=754-RL1220S-2R2-F, Temperature Coefficient="0/ +200ppm/°C", Tolerance=±1%, Category=Resistors, ComponentLink1Description=http://www.susumu-usa.com/pdf/Foot_Print_19.pdf?src-supplier=Digi-Key, ComponentLink1URL=http://www.susumu-usa.com/pdf/Foot_Print_19.pdf?src-supplier=Digi-Key, ComponentLink2Description=http://www.susumu.co.jp/common/pdf/n_catalog_partition08_en.pdf?src-supplier=Digi-Key, ComponentLink2URL=http://www.susumu.co.jp/common/pdf/n_catalog_partition08_en.pdf?src-supplier=Digi-Key, Composition="Thin Film", EDA / CAD Models="Download from Accelerated Designs", Family="Chip Resistor - Surface Mount", Featured Product="RL Series - Low Resistance Current Sensors", Features="Current Sense", Height="0.020\" (0.50mm)", Kits="RL1220SF-1-KIT-ND  - RESISTOR KIT 0.1-10 1/3W 480PCS", Number of Terminations=2, Online Catalog="RL Series", Other Names=RL12S2.20FCT, Packaging="Cut Tape (CT)", Pricing 1="1=0.39, 10=0.24, 50=0.24, 100=0.133, 500=0.083, 1000=0.06, 2500=0.051, 5000=0.047, 10000=0.038, 25000=0.036 (USD)", Product Training Modules="RL Current Sense Resistors", RoHS Information="Cert of RoHS Compliance", Series=RL, Size / Dimension="0.079\" L x 0.049\" W (2.00mm x 1.25mm)", Stock 1=7219, Supplier 1=Mouser
SW1: library part SW2, "Switch button 2 pin"
SW2: library part "SW MTS202 ON-ON"
TERM_EN1: "WR-PHD 2.54 mm Angled Socket Header", Manufacturer="W¨¹rth Elektronik eiSos GmbH", partNo=613003143121, ComponentLink1 Description=Manufacturer, ComponentLink1URL=http://www.we-online.com, ComponentLink2 Description=Datasheet, ComponentLink2URL=http://katalog.we-online.de/em/datasheet/6130xx143121.pdf, Created by="Karrer Zheng", Created Date="29 March 2013", NoPins=03
U1: library part STM32F103C8T6, "STM32 ARM-based 32-bit MCU with 64 Kbytes Flash, 64-pin LQFP, Industrial Temperature"
U2 U6: library part "INA INA226AIDGSR", "IC MONITOR PWR/CURR BIDIR 10MSOP"
U3: library part "FET SI7288DP-T1-GE3", "MOSFET 2N-CH 40V 20A PPAK SO-8", Current - Continuous Drain (Id) @ 25°C=20A, Drain to Source Voltage (Vdss)=40V, Input Capacitance (Ciss) @ Vds="565pF @ 20V", Manufacturer="Vishay Siliconix", Manufacturer Part Number=SI7288DP-T1-GE3, Package / Case="SO-8 Dual", Power - Max=15.6W, Standard Package=1, Supplier Device Package="PowerPAK® SO-8 Dual", Supplier Part Number 1=781-SI7288DP-T1-GE3, Category="Discrete Semiconductor Products", ComponentLink1Description=http://www.vishay.com/docs/65366/si7288dp.pdf?src-supplier=Digi-Key, ComponentLink1URL=http://www.vishay.com/docs/65366/si7288dp.pdf?src-supplier=Digi-Key, ComponentLink2Description=http://www.mouser.com/ds/2/427/si7288dp-244449.pdf?src-supplier=Mouser, ComponentLink2URL=http://www.mouser.com/ds/2/427/si7288dp-244449.pdf?src-supplier=Mouser, ComponentLink3Description=http://www.vishay.com/docs/65366/si7288dp.pdf?src-supplier=Avnet, ComponentLink3URL=http://www.vishay.com/docs/65366/si7288dp.pdf?src-supplier=Avnet, ComponentLink4Description=http://www.vishay.com/docs/65366/si7288dp.pdf?src-supplier=Avnet+Europe, ComponentLink4URL=http://www.vishay.com/docs/65366/si7288dp.pdf?src-supplier=Avnet+Europe, ComponentLink5Description=http://www.vishay.com/docs/65366/si7288dp.pdf?src-supplier=Future+Electronics, ComponentLink5URL=http://www.vishay.com/docs/65366/si7288dp.pdf?src-supplier=Future+Electronics, Family="FETs - Arrays", FET Feature=Standard, FET Type="2 N-Channel (Dual)", Gate Charge (Qg) @ Vgs="15nC @ 10V", Mounting Type="Surface Mount", Online Catalog="N-Channel Standard FETs", Other Names=SI7288DP-T1-GE3DKR, Packaging=Digi-Reel®, PCN Assembly/Origin="Multiple Fabracation Changes09/Jul/2014", Pricing 1="1=1.39, 10=1.17, 50=1.17, 100=0.96, 1000=0.679, 10000=0.563 (USD)", Rds On (Max) @ Id, Vgs="19 mOhm @ 10A, 10V", Series=TrenchFET®, Stock 1=27404, Supplier 1=Mouser, Vgs(th) (Max) @ Id="2.8V @ 250µA"
U4: "TEXAS INSTRUMENTS         BQ24650RVAT            IC, BATT CHARGER, LI-ION, 10A, VQFN-16", Manufacturer="Texas Instruments", Operating Temperature="-40°C ~ 85°C", Package / Case=16-VFQFN, Standard Package=1, Supplier Device Package="16-VQFN Exposed Pad (3.5x3.5)", Supplier Part Number 1=595-BQ24650RVAT, Voltage - Supply="5 V ~ 28 V", Battery Chemistry="Lead Acid, LiFePO4, Li-Ion, Li-Pol", Category="Integrated Circuits (ICs)", ComponentLink1Description=http://www.ti.com/general/docs/lit/getliterature.tsp?genericPartNumber=BQ24650&amp;&amp;fileType=pdf&src-supplier=Avnet, ComponentLink1URL=http://www.ti.com/general/docs/lit/getliterature.tsp?genericPartNumber=BQ24650&amp;&amp;fileType=pdf&src-supplier=Avnet, ComponentLink2Description=http://www.ti.com/general/docs/lit/getliterature.tsp?genericPartNumber=BQ24650&amp;&amp;fileType=pdf&src-supplier=Verical, ComponentLink2URL=http://www.ti.com/general/docs/lit/getliterature.tsp?genericPartNumber=BQ24650&amp;&amp;fileType=pdf&src-supplier=Verical, ComponentLink3Description=http://www.ti.com/general/docs/lit/getliterature.tsp?genericPartNumber=BQ24650&amp;&amp;fileType=pdf&src-supplier=Farnell, ComponentLink3URL=http://www.ti.com/general/docs/lit/getliterature.tsp?genericPartNumber=BQ24650&amp;&amp;fileType=pdf&src-supplier=Farnell, ComponentLink4Description=http://www.ti.com/general/docs/lit/getliterature.tsp?genericPartNumber=BQ24650&amp;&amp;fileType=pdf&src-supplier=Mouser, ComponentLink4URL=http://www.ti.com/general/docs/lit/getliterature.tsp?genericPartNumber=BQ24650&amp;&amp;fileType=pdf&src-supplier=Mouser, ComponentLink5Description=http://www.ti.com/general/docs/lit/getliterature.tsp?genericPartNumber=BQ24650&&fileType=pdf&src-supplier=Element14, ComponentLink5URL=http://www.ti.com/general/docs/lit/getliterature.tsp?genericPartNumber=BQ24650&&fileType=pdf&src-supplier=Element14, ComponentLink6Description=http://www.farnell.com/datasheets/1795899.pdf?src-supplier=Element14, ComponentLink6URL=http://www.farnell.com/datasheets/1795899.pdf?src-supplier=Element14, ComponentLink7Description=http://www.ti.com/lit/ds/symlink/bq24650.pdf?src-supplier=Digi-Key, ComponentLink7URL=http://www.ti.com/lit/ds/symlink/bq24650.pdf?src-supplier=Digi-Key, ComponentLink8Description=http://www.ti.com/general/docs/lit/getliterature.tsp?genericPartNumber=BQ24650&amp;&amp;fileType=pdf&src-supplier=Avnet+Europe, ComponentLink8URL=http://www.ti.com/general/docs/lit/getliterature.tsp?genericPartNumber=BQ24650&amp;&amp;fileType=pdf&src-supplier=Avnet+Europe, ComponentLink9Description=http://www.produktinfo.conrad.com/datenblaetter/1000000-1099999/001013519-da-01-en-IC_SYNC_SW_MODE_BQ24650RVAT_VQFN_16_TID.pdf?src-supplier=Conrad, ComponentLink9URL=http://www.produktinfo.conrad.com/datenblaetter/1000000-1099999/001013519-da-01-en-IC_SYNC_SW_MODE_BQ24650RVAT_VQFN_16_TID.pdf?src-supplier=Conrad, Dynamic Catalog="Charge Management, Specialized", Family="PMIC - Battery Management", Featured Product="bq24650 Battery Charge Controller for Solar Power", For Use With="296-28320-ND / - EVAL MODULE FOR BQ24650", Function="Charge Management, Solar", Manufacturer Part Number=BQ24650RVAT, Mounting Type="Surface Mount", Other Names=296-27699-6, Packaging=Digi-Reel®, Pricing 1="1=5.36, 10=4.82, 50=4.82, 100=3.94, 1000=2.83, 10000=2.69 (USD)", Product Training Modules="Power Management for Energy Harvesting", Reference Design Library="BQ24650EVM-639: 5 ~ 28V, 8 A Solar Charger", Series=-, Stock 1=1648, Supplier 1=Mouser
U5: library part "FET P-CH 70A 40V AOD403 VN", "Trans MOSFET P-CH 30V 70A 3-Pin(2+Tab) DPAK VN", Continuous Drain Current=70A, Drain-Source On-Volt=30V, Gate-Source Voltage (Max)=±25V, Manufacturer="Alpha & Omega Semiconductor", Operating Temp Range="-55C to 175C", Operating Temperature Classification=Military, Package Type=DPAK, Power Dissipation=90W, Channel Mode=Enhancement, ComponentLink1Description=http://www.aosmd.com/res/packaging_information/TO252.pdf?src-supplier=Digi-Key, ComponentLink1URL=http://www.aosmd.com/res/packaging_information/TO252.pdf?src-supplier=Digi-Key, ComponentLink2Description=https://www.verical.com/server-webapp/html/getDatasheet?partID=313226&src-supplier=Verical, ComponentLink2URL=https://www.verical.com/server-webapp/html/getDatasheet?partID=313226&src-supplier=Verical, Manufacturer Part Number=AOD403, Mounting="Surface Mount", Number of  Elements=1, Pin Count="2 +Tab", Polarity=P, Pricing 1="2500=0.3969, 5000=0.378, 26=0.805 (USD)", Stock 1=160042, Supplier 1=Verical, Supplier Part Number 1=AOD403, Type="Power MOSFET"
U7: library part "BUCK 5V LM2596SX-5.0/NOPB", "IC REG BUCK 5V 3A TO263-5", Base Part Number=LM2596, Current - Output=3A, Frequency - Switching=150kHz, Manufacturer="Texas Instruments", Manufacturer Part Number=LM2596SX-5.0/NOPB, Operating Temperature="-40°C ~ 125°C (TJ)", Package / Case="TO-263-6, D²Pak (5 Leads + Tab), TO-263BA", Supplier Device Package=DDPAK/TO-263-5, Supplier Part Number 1=28AH3161, Voltage - Input (Max)=40V, Voltage - Input (Min)=4.5V, Voltage - Output (Max)=-, Voltage - Output (Min/Fixed)=5V, Categories="Integrated Circuits (ICs)", Function=Step-Down, Mounting Type="Surface Mount", Number of Outputs=1, Output Configuration=Positive, Output Type=Fixed, Packaging=Digi-Reel®, Part Status=Active, Pricing 1="1=4.77, 10=4.28, 25=4.02, 50=3.77, 100=3.51, 250=3.29 (USD)", Series="SIMPLE SWITCHER®", Stock 1=1924, Supplier 1=Newark, Synchronous Rectifier=No, Topology=Buck
U8: library part LM1117, "800mA Low-Dropout Linear Regulator", Creator="Nguyen Ba Bien", Website=http://group3i.net
X1: library part XT32k, "Crystal 32,768kHz for timer real"
Y1: library part "Thach Anh 8Mhz DIP", "Cắm", Chung_Loai=Cắm, Don_Vi=Con

## Nets (pads, with @x,y where several pads share a name; then routed paths per layer and width w, separated by ;. In a path a pad name is that pad's centre, name@x,y a point inside that pad or via, vN(x,y) a via of type N, cw(c..) or ccw(c..) an arc to the next point about the centre after c; other vN are vias at no path point)
+3.3V: C6.1 Cx29.2 Cx30.1 Cx31.2 Cx32.1 Cx35.2 D6.1 R26.1 R27.1 R28.1 R29.1 R34.1 R37.1 R38.1 U2.1 U2.6 U6.1 U6.2 U6.6 U8.2
+5V: C5.1 Cx36.2 L3.2 R33.2 R35.1 U7.4
+SOLAR: +SOLAR1.3 D2.1 LED4.2 R11.2 R13.1 R31.1
+V_BAT: +BATTERY1.3 CHARGING1.2 D5.1 R20.2 U5.2
+V_SOLAR_CHARGE: U2.8
+V_SOLAR_DISCHARGE: U6.8
+VBAT_LOAD: D1.2 F2.1
+VinBQ: Cx17.2 R12.2 U4.1
+VinMPPT: Cx12.2 Cx13.2 Cx14.2 Cx15.2 Cx16.1 D2.2 D3.2 R12.1 U3.7 U3.8
+VREF: +VREF1.3 Cx20.1 R32.1 R44.1 TERM_EN1.3 TS3.2 U4.6
BQ_TS: R48.2 TS2.3 U4.4
"Charger IN+": Cx10.1 R9.2 U2.10
"Charger IN-": Cx10.2 R8.2 U2.9
Charger_IN+_MPPT: Cx26.2 Cx27.1 L1.2 R8.1 R17.2 U4.10
Charger_IN-_MPPT: Cx22.1 Cx23.1 Cx24.2 Cx25.1 Cx27.2 D3.1 R9.1 R15.1 R17.1 R21.1 R22.1 SW2.2 SW2.5 U4.9
DEBUG_RX: DEBUG1.3 U1.13
DEBUG_TX: DEBUG1.4 U1.12
"Discharging IN+": Cx11.1 R18.2 U6.10
"Discharging IN-": Cx11.2 R10.2 U6.9
Discharging_IN+: R14.1 R15.2 R18.1 SW2.1
Discharging_IN-: D1.1 R10.1 R14.2
GND: C1.2 C2.1 Cx1.1 Cx2.1 Cx3.1 Cx4.1 Cx5.1 Cx6.2 Cx7.1 Cx8.2 Cx9.1 Cx29.1 Cx30.2 Cx31.1 Cx32.2 DEBUG1.1 DEBUG2.2 LORA.1 LORA.2 LORA.9 LORA.16 R30.1 R36.1 SW1.2 U1.8 U1.23 U1.35 U1.44 U1.47 U2.2 U2.7 U6.7
HIDRV: HIDRV1.3 U3.2 U4.15
I2C1_SCL: R29.2 R38.2 U1.43 U2.5 U6.5
I2C1_SDA: R28.2 R37.2 U1.42 U2.4 U6.4
INA_ALERT_CHARGE: R26.2 U2.3
INA_ALERT_DISCHARGE: R27.2 U6.3
LODRV: LODRV1.3 U3.4 U4.13
LORA_DIO0: LORA.5 R6.2 U1.19
LORA_MISO: LORA.13 R4.2 U1.16
LORA_MOSI: LORA.14 R3.2 U1.17
LORA_NSS: LORA.15 R2.2 U1.14
LORA_RESET: C1.1 Cx1.2 Cx2.2 Cx3.2 Cx4.2 DEBUG1.2 DEBUG2.1 LORA.4 R1.1 R2.1 R3.1 R4.1 R5.1 R6.1 R7.1 R7.2 U1.9 U1.18 U1.24 U1.36 U1.48
LORA_SCK: LORA.12 R5.2 U1.15
MPPT_SET: AO1.3 Cx28.2 MPPTSET1.3 R43.2 R45.1 U4.2
NetAO1_2: AO1.2 MPP_EN1.2 R32.2
NetBC2_1: BC2.1 LED1.2 R20.1
NetBC2_3: BC2.3 R19.1 U5.1
NetBTST1_3: BTST1.3 R16.1 U4.16
NetC2_2: C2.2 LORA.3
NetC3_2: C3.2 R22.2 R23.1
NetC4_2: C4.2 Cx33.1 F2.2 U7.1
NetCx5_2: Cx5.2 U1.3 X1.2
NetCx6_1: Cx6.1 U1.5 Y1.1
NetCx7_2: Cx7.2 U1.4 X1.1
NetCx8_1: Cx8.1 U1.6 Y1.2
NetCx18_2: Cx18.2 R13.2
NetCx19_2: Cx19.2 D4.1 U4.12
NetCx21_2: Cx21.2 D4.2 R16.2
NetCx28_1: Cx28.1 R31.2 R43.1
NetCx34_2: Cx34.2 D6.2 R33.1 U8.3
NetD5_2: D5.2 LOAD_OUT1.2
NetD7_2: D7.2 L3.1 U7.2
NetF1_1: F1.1 R21.2 SW2.4
NetF1_2: F1.2 R19.2 U5.3
NetJDC1_1: JDC1.1 R11.1
NetL2_1: L2.1 R46.2
NetL2_3: L2.3 R47.2
NetLED2_1: LED2.1 R34.2
NetLED3_1: LED3.1 R35.2
NetLED4_1: LED4.1 R46.1 R47.1
NetR44_2: R44.2 R48.1 R49.1 TS3.1
PGND: BC2.2 C4.1 C5.2 C6.2 CHARGING1.1 Cx12.1 Cx13.1 Cx14.1 Cx15.1 Cx16.2 Cx17.1 Cx18.1 Cx19.1 Cx22.2 Cx23.2 Cx24.1 Cx33.2 Cx34.1 Cx35.1 Cx36.1 D7.1 JDC1.2 JDC1.3 LED1.1 LED2.2 LED3.2 LOAD_OUT1.1 PGND1.3 R24.1 R30.2 R36.2 U3.3 U4.11 U4.17 U7.3 U7.5 U8.1
PH: Cx21.1 L1.1 U3.1 U3.5 U3.6 U4.14
RST_MCU: Cx9.2 R1.2 SW1.1 U1.7
SGND: AO1.1 Cx20.2 Cx25.2 Cx26.1 MPP_EN1.1 R24.2 R25.2 R45.2 R49.2 SGND1.3 TERM_EN1.1
STAT1: L2.4 U4.3
STAT2: L2.2 U4.5
SWCLK: DEBUG2.3 U1.37
SWDIO: DEBUG2.4 U1.34
TERM_EN: TERM_EN1.2 U4.7
VFB: C3.1 FB1.3 R23.2 R25.1 U4.8
pads on no net: LORA.6 LORA.7 LORA.8 LORA.10 LORA.11 SW2.3 SW2.6 U1.0 U1.1 U1.2 U1.10 U1.11 U1.20 U1.21 U1.22 U1.25 U1.26 U1.27 U1.28 U1.29 U1.30 U1.31 U1.32 U1.33 U1.38 U1.39 U1.40 U1.41 U1.45 U1.46 U3.9 U3.10 U7.6 U8.4 X1.3

## Text inside footprints (layer, text, board x,y; h text height)
C5: Top Overlay "+" at 2975.43,2346.97 h30 r270
Cx33: Top Overlay "+" at 4194.17,2785 h30 r180
U7: Top Overlay "1" at 4417,2532.86 h30 r270